# Allegro board RK_TABLET_DEMO1_RK3576_LP4XD200P132SD6_V12_20240530YWQ.brd (continued)
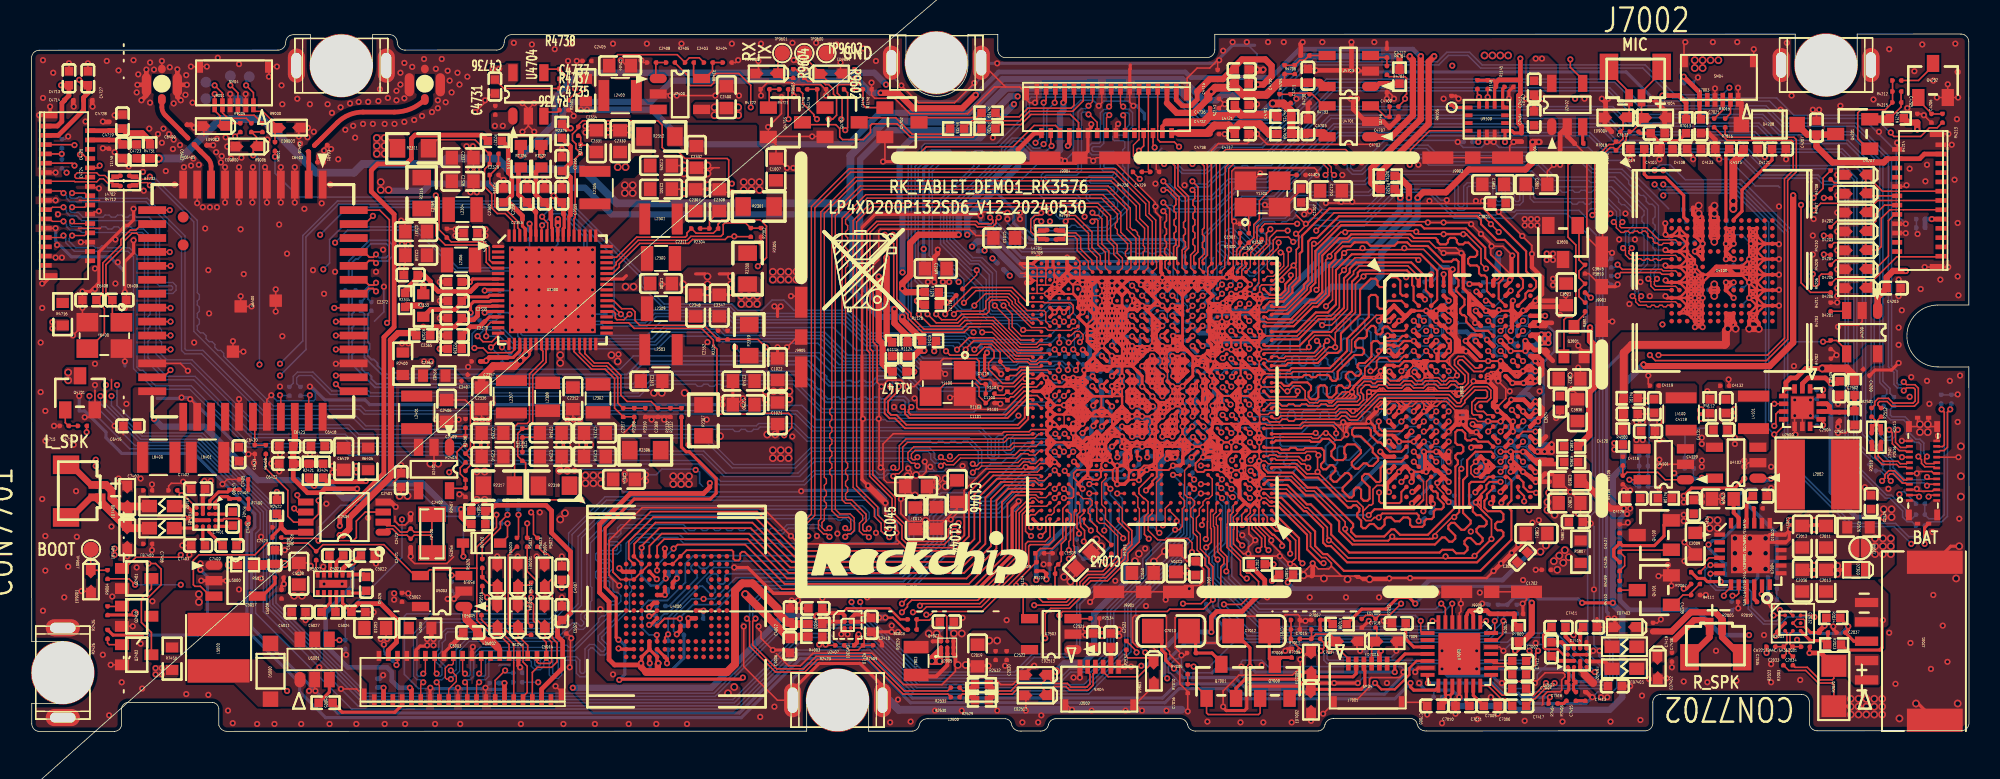
[diagram p0: board, top side]
## Nets (continued)
HOST_WAKE_BT_H: U1000.1E21(--           | --               | --           | I2C5_SCL_M1    | UART10_RTSN_M1 | SPDIF_RX1_M2 | PDM0_SDI3_M2 | SAI2_MCLK_M0  | --            | --              | ETH1_MCLK_M1        | GPIO1_D4_D) U6400.49(BT_WAKE)
HP_CTL_H: R7010.1 U1000.AL2(PWM2_CH0_M1 | UART9_TX_M2  | CAN0_TX_M1      | I2C2_SCL_M3 | --               | HDMI_TX_SCL      | --           | --           | DSM_AUD_RP_M1        | GPIO4_C2_D)
HP_DET_J: ED7003.1 J7001.4 R7012.2
HP_DET_L: C7018.1 R7012.1 U1000.1C5(CAN0_TX_M2  | --               | I2C4_SCL_M1   | UART6_TX_M0   | SPI3_MOSI_M2 | FLEXBUS0_D13_M1 | PDM1_SDI3_M1    | SAI4_SCLK_M0 | --           | GPIO4_A4_D)
HP_GND: C7004.2 C7014.2 J7001.5 R7004.1
HPL_OUT_J: ED7001.1 J7001.2 Q7001.2(SOURCE)
HPOUT_L: C7013.1 U7000.12(LOUT1)
HPOUT_R: C7012.1 U7000.11(ROUT1)
HPOUT_R_C: ED7002.1 J7001.3 Q7000.2(SOURCE)
I2C0_SCL_M1_TP: R1138.2 R5021.1 U1000.AB28(--            | --          | I3C0_SCL_M0    | UART8_TX_M2     | I2C0_SCL_M1      | --           | --             | --           | GPIO0_C1_D)
I2C0_SDA_M1_TP: R1139.2 R5020.1 U1000.1V24(--            | --          | I3C0_SDA_M0    | UART8_RX_M2     | I2C0_SDA_M1      | --           | --             | --           | GPIO0_C2_D)
I2C1_SCL_M0_RK806: R1128.2 U1000.1T22(I2C1_SCL_M0 | --             | SPI2_CLK_M0   | --              | --           | GPIO0_B2_Z) U2300.17((SCL)CLK)
I2C1_SDA_M0_RK806: R1127.2 U1000.1T23(I2C1_SDA_M0 | --             | SPI2_MOSI_M0  | --              | --           | GPIO0_B3_Z) U2300.15((SDA)MOSI)
I2C2_SCL_M0_SENSOR: J4701.28(SCL) R1145.2 U1000.1W24(--            | PWM1_CH4_M0 | NPU_AVS        | UART1_TX_M0     | I2C2_SCL_M0      | --           | --             | --           | GPIO0_B7_D) U9100.13(SCL)
I2C2_SDA_M0_SENSOR: J4701.27(SDA) R1146.2 U1000.AB29(--            | PWM1_CH3_M0 | CPULIT_AVS     | UART1_RX_M0     | I2C2_SDA_M0      | --           | --             | --           | GPIO0_C0_D) U9100.14(SDA)
I2C3_SCL_M0_AUDIO: C7007.1 R1801.2 U1000.1A4(CAN1_TX_M2  | PCIE0_CLKREQN_M2 | I2C3_SCL_M0   | UART2_TX_M1   | --           | FLEXBUS0_D15_M1 | --              | --           | SPDIF_TX0_M0 | GPIO4_B5_D) U7000.28(I2C_CCLK)
I2C3_SDA_M0_AUDIO: C7008.1 R1800.2 U1000.B8(CAN1_RX_M2  | --               | I2C3_SDA_M0   | UART2_RX_M1   | --           | FLEXBUS0_CSN_M4 | --              | --           | SPDIF_RX0_M0 | GPIO4_B4_D) U7000.27(I2C_CDATA)
I2C4_SCL_M3_MIPI_CSI0: J4701.9(CIF_SCL) R1927.2 U1000.1E9(--          | I2C4_SCL_M3    | UART3_RTSN_M1  | UART2_TX_M2    | --              | --              | FLEXBUS1_D9     | DSMC_DATA7  | SAI1_SDO3_M1 | ETH0_PPSCLK_M0      | VO_EBC_SDDO11 | VO_LCDC_D11   | GPIO3_C0_D)
I2C4_SDA_M3_MIPI_CSI0: J4701.8(CIF_SDA) R1926.2 U1000.1D12(--          | I2C4_SDA_M3    | UART3_CTSN_M1  | UART2_RX_M2    | FLEXBUS1_CSN_M0 | --              | FLEXBUS1_D10    | DSMC_DQS0   | SAI1_SDI0_M1 | ETH0_PPSTRIG_M0     | VO_EBC_SDDO12 | VO_LCDC_D12   | GPIO3_B7_D)
I2C5_SCL_M3_MIPI_CSI3: J4702.9(CIF_SCL) R1935.2 U1000.1D9(CAN0_TX_M3  | I2C5_SCL_M3    | SPI2_CSN0_M2   | UART11_TX_M0   | --              | --              | FLEXBUS1_D7     | DSMC_DATA5  | SAI1_SDO1_M1 | --                  | VO_EBC_SDDO7  | VO_LCDC_D7    | GPIO3_C4_D)
I2C5_SDA_M3_MIPI_CSI3: J4702.8(CIF_SDA) R1934.2 U1000.1B10(CAN0_RX_M3  | I2C5_SDA_M3    | SPI2_MISO_M2   | UART11_RX_M0   | --              | --              | FLEXBUS1_D8     | DSMC_DATA6  | SAI1_SDO2_M1 | ETH0_PTP_REFCLK_M0  | VO_EBC_SDDO10 | VO_LCDC_D10   | GPIO3_C1_D)
I2C6_SCL_M3_CC_RTC: R1802.2 U1000.1AE1(PWM2_CH2_M1 | CAN1_TX_M1   | SPI4_MISO_M0    | I2C6_SCL_M3 | SATA0_ACTLED_M1  | PCIE0_CLKREQN_M3 | VP1_SYNC_OUT | SAI4_SDI_M2  | --                   | GPIO4_C6_D) U2003.A3(SCL) U2004.5(SCL) U2404.6(SCL) U2500.6(SCL)
I2C6_SDA_M3_CC_RTC: R1803.2 U1000.AJ1(PWM2_CH3_M1 | CAN1_RX_M1   | SPI4_CLK_M0     | I2C6_SDA_M3 | --               | --               | VP2_SYNC_OUT | SAI4_SCLK_M2 | --                   | GPIO4_C7_D) U2003.A2(SDA) U2004.6(SDA) U2404.5(SDA) U2500.7(SDA)
I2C_MODE_SEL: R2324.2 U2300.18((IIC/S\P\I\)CS)
LCD_BL_PWM1_CH1_M0: R5006.1 U1000.AD29(--            | PWM1_CH1_M0 | --             | UART4_RX_M2     | I2C1_SDA_M1      | --           | --             | REF_CLK2_OUT | GPIO0_B5_D) U5001.4(EN)
LCD_ID: J5000.6(LCM_ID) R5015.1
LCD_PWREN_H: J5000.30(LCD_PWR_EN) R5027.1 U1000.1Y21(--            | --          | SPI0_CSN0_M0   | --              | I2C3_SCL_M1      | --           | --             | SAI0_SCLK_M1 | GPIO0_C6_D) U5000.3(S\H\D\N\) U5003.4(EN)
LCD_RESET_L: R5010.1 U1000.1A19(--          | --              | CAN1_RX_M3       | SPI3_CSN0_M0  | UART3_RTSN_M0  | SPDIF_TX1_M1 | SAI3_SDI_M2  | ETH0_RXD1_M1        | ETH1_PTP_REFCLK_M0  | VI_CIF_CLKI          | GPIO3_A3_D)
LCD_RST: C5015.1 J5000.27(LCM_RESET) R5010.2
LCD_SPI_CLK: ED5005.1 J5000.31(LCM_SPI_CLK) R5016.2
LCD_SPI_CSN: ED5004.1 J5000.38(SPI_CSN) R5017.2
LED_B: J4701.21(LED_B) R4723.2
LED_CTRL_B: R4724.1 U1000.1A11(PWM1_CH3_M3 | --             | SPI4_CSN0_M1   | UART10_TX_M0   | --              | --              | FLEXBUS0_D4     | DSMC_DATA12 | PDM1_CLK0_M2 | ETH0_RXD1_M0        | VO_EBC_SDCE2  | VO_LCDC_D18   | GPIO3_B1_D)
LED_CTRL_G: R4721.1 U1000.A9(PWM1_CH1_M3 | --             | SPI2_CSN1_M2   | UART1_RTSN_M2  | --              | --              | FLEXBUS0_D7     | DSMC_DATA15 | PDM1_SDI3_M2 | ETH0_MDIO_M0        | VO_EBC_GDSP   | VO_LCDC_D22   | GPIO3_A5_D)
LED_CTRL_R: R4717.1 U1000.1D13(PWM1_CH0_M3 | --             | SPI2_CLK_M2    | UART1_CTSN_M2  | FLEXBUS0_CSN_M0 | --              | FLEXBUS1_D11    | DSMC_RDYN   | SAI4_SDI_M1  | ETH_CLK0_25M_OUT_M0 | VO_EBC_SDSHR  | VO_LCDC_D23   | GPIO3_A4_D)
LED_G: J4701.22(LED_G) R4720.2
LED_R: J4701.23(LED_R) R4719.2
LEDA: C5010.1 D5000.2(K) J5000.1(LED+) J5000.2(LED+1) U5001.5(OV)
LEDK: J5000.7(LED-) J5000.8(LED-1) R5004.1 R5005.2
LPDDR4_A0_A: U1000.T1(LP4_A0_A    | LP4X_A0_A    |     LP5_A0_A) U3800.H2(CA0_A)
LPDDR4_A0_B: U1000.L1(LP4_A0_B    | LP4X_A0_B    |     LP5_A0_B) U3800.R2(CA0_B)
LPDDR4_A1_A: U1000.1N1(LP4_A1_A    | LP4X_A1_A    |     LP5_A1_A) U3800.J2(CA1_A)
LPDDR4_A1_B: U1000.1J1(LP4_A1_B    | LP4X_A1_B    |     LP5_A1_B) U3800.P2(CA1_B)
LPDDR4_A2_A: U1000.1R3(LP4_A2_A    | LP4X_A2_A    |     LP5_A2_A) U3800.H9(CA2_A)
LPDDR4_A2_B: U1000.1J3(LP4_A2_B    | LP4X_A2_B    |     LP5_A2_B) U3800.R9(CA2_B)
LPDDR4_A3_A: U1000.1T2(LP4_A3_A    | LP4X_A3_A    |     LP5_A3_A) U3800.H10(CA3_A)
LPDDR4_A3_B: U1000.1G2(LP4_A3_B    | LP4X_A3_B    |     LP5_A3_B) U3800.R10(CA3_B)
LPDDR4_A4_A: U1000.1M5(LP4_A4_A    | LP4X_A4_A    |     LP5_A4_A) U3800.H11(CA4_A)
LPDDR4_A4_B: U1000.1F4(LP4_A4_B    | LP4X_A4_B    |     LP5_A4_B) U3800.R11(CA4_B)
LPDDR4_A5_A: U1000.1P5(LP4_A5_A    | LP4X_A5_A    |     LP5_A5_A) U3800.J11(CA5_A)
LPDDR4_A5_B: U1000.1K5(LP4_A5_B    | LP4X_A5_B    |     LP5_A5_B) U3800.P11(CA5_B)
LPDDR4_CKE0_A: U1000.1N3(LP4_CKE0_A  | LP4X_CKE0_A  |   LP5_CSN0_A) U3800.J4(CKE0_A)
LPDDR4_CKE0_B: U1000.1K2(LP4_CKE0_B  | LP4X_CKE0_B  |   LP5_CSN0_B) U3800.P4(CKE0_B)
LPDDR4_CKE1_A: U1000.1N5(LP4_CKE1_A  | LP4X_CKE1_A  |   LP5_CSN1_A) U3800.J5(CKE1_A)
LPDDR4_CKE1_B: U1000.1M3(LP4_CKE1_B  | LP4X_CKE1_B  |   LP5_CSN1_B) U3800.P5(CKE1_B)
LPDDR4_CLKN_A: U1000.P1(LP4_CLKN_A  | LP4X_CLKN_A  |   LP5_CLKN_A) U3800.J9(CK_C_A)
LPDDR4_CLKN_B: U1000.N1(LP4_CLKN_B  | LP4X_CLKN_B  |   LP5_CLKN_B) U3800.P9(CK_C_B)
LPDDR4_CLKP_A: U1000.1L1(LP4_CLKP_A  | LP4X_CLKP_A  |   LP5_CLKP_A) U3800.J8(CK_T_A)
LPDDR4_CLKP_B: U1000.1K1(LP4_CLKP_B  | LP4X_CLKP_B  |   LP5_CLKP_B) U3800.P8(CK_T_B)
LPDDR4_CSN0_A: U1000.1R4(LP4_CSN0_A  | LP4X_CSN0_A  |           --) U3800.H4(CS0_A)
LPDDR4_CSN0_B: U1000.1J5(LP4_CSN0_B  | LP4X_CSN0_B  |           --) U3800.R4(CS0_B)
LPDDR4_CSN1_A: U1000.1T4(LP4_CSN1_A  | LP4X_CSN1_A  |           --) U3800.H3(CS1_A)
LPDDR4_CSN1_B: U1000.1K4(LP4_CSN1_B  | LP4X_CSN1_B  |           --) U3800.R3(CS1_B)
LPDDR4_DMI0_A: U1000.1V1(LP4_DMI0_A  | LP4X_DMI0_A  |   LP5_DMI0_A) U3800.C3(DMI0_A)
LPDDR4_DMI0_B: U1000.B4(LP4_DMI0_B  | LP4X_DMI0_B  |   LP5_DMI0_B) U3800.Y3(DMI0_B)
LPDDR4_DMI1_A: U1000.AE1(LP4_DMI1_A  | LP4X_DMI1_A  |   LP5_DMI1_A) U3800.C10(DMI1_A)
LPDDR4_DMI1_B: U1000.1B1(LP4_DMI1_B  | LP4X_DMI1_B  |   LP5_DMI1_B) U3800.Y10(DMI1_B)
LPDDR4_DQ0_A: U1000.W1(LP4_DQ0_A   | LP4X_DQ0_A   |    LP5_DQ0_A) U3800.B2(DQ0_A)
LPDDR4_DQ0_B: U1000.1D2(LP4_DQ0_B   | LP4X_DQ0_B   |    LP5_DQ0_B) U3800.AA2(DQ0_B)
LPDDR4_DQ1_A: U1000.1T1(LP4_DQ1_A   | LP4X_DQ1_A   |    LP5_DQ1_A) U3800.C2(DQ1_A)
LPDDR4_DQ1_B: U1000.1F2(LP4_DQ1_B   | LP4X_DQ1_B   |    LP5_DQ1_B) U3800.Y2(DQ1_B)
LPDDR4_DQ2_A: U1000.1P1(LP4_DQ2_A   | LP4X_DQ2_A   |    LP5_DQ2_A) U3800.E2(DQ2_A)
LPDDR4_DQ2_B: U1000.1G1(LP4_DQ2_B   | LP4X_DQ2_B   |    LP5_DQ2_B) U3800.V2(DQ2_B)
LPDDR4_DQ3_A: U1000.U1(LP4_DQ3_A   | LP4X_DQ3_A   |    LP5_DQ3_A) U3800.F2(DQ3_A)
LPDDR4_DQ3_B: U1000.K1(LP4_DQ3_B   | LP4X_DQ3_B   |    LP5_DQ3_B) U3800.U2(DQ3_B)
LPDDR4_DQ4_A: U1000.1V3(LP4_DQ4_A   | LP4X_DQ4_A   |    LP5_DQ4_A) U3800.F4(DQ4_A)
LPDDR4_DQ4_B: U1000.1C3(LP4_DQ4_B   | LP4X_DQ4_B   |    LP5_DQ4_B) U3800.U4(DQ4_B)
LPDDR4_DQ5_A: U1000.1W4(LP4_DQ5_A   | LP4X_DQ5_A   |    LP5_DQ5_A) U3800.E4(DQ5_A)
LPDDR4_DQ5_B: U1000.1B3(LP4_DQ5_B   | LP4X_DQ5_B   |    LP5_DQ5_B) U3800.V4(DQ5_B)
LPDDR4_DQ6_A: U1000.AC1(LP4_DQ6_A   | LP4X_DQ6_A   |    LP5_DQ6_A) U3800.C4(DQ6_A)
LPDDR4_DQ6_B: U1000.A5(LP4_DQ6_B   | LP4X_DQ6_B   |    LP5_DQ6_B) U3800.Y4(DQ6_B)
LPDDR4_DQ7_A: U1000.AB1(LP4_DQ7_A   | LP4X_DQ7_A   |    LP5_DQ7_A) U3800.B4(DQ7_A)
LPDDR4_DQ7_B: U1000.G1(LP4_DQ7_B   | LP4X_DQ7_B   |    LP5_DQ7_B) U3800.AA4(DQ7_B)
LPDDR4_DQ8_A: U1000.AF1(LP4_DQ8_A   | LP4X_DQ8_A   |    LP5_DQ8_A) U3800.B11(DQ8_A)
LPDDR4_DQ8_B: U1000.1A1(LP4_DQ8_B   | LP4X_DQ8_B   |    LP5_DQ8_B) U3800.AA11(DQ8_B)
LPDDR4_DQ9_A: U1000.1AB1(LP4_DQ9_A   | LP4X_DQ9_A   |    LP5_DQ9_A) U3800.C11(DQ9_A)
LPDDR4_DQ9_B: U1000.B1(LP4_DQ9_B   | LP4X_DQ9_B   |    LP5_DQ9_B) U3800.Y11(DQ9_B)
LPDDR4_DQ10_A: U1000.1AD1(LP4_DQ10_A  | LP4X_DQ10_A  |   LP5_DQ10_A) U3800.E11(DQ10_A)
LPDDR4_DQ10_B: U1000.B2(LP4_DQ10_B  | LP4X_DQ10_B  |   LP5_DQ10_B) U3800.V11(DQ10_B)
LPDDR4_DQ11_A: U1000.AH1(LP4_DQ11_A  | LP4X_DQ11_A  |   LP5_DQ11_A) U3800.F11(DQ11_A)
LPDDR4_DQ11_B: U1000.A2(LP4_DQ11_B  | LP4X_DQ11_B  |   LP5_DQ11_B) U3800.U11(DQ11_B)
LPDDR4_DQ12_A: U1000.1Y1(LP4_DQ12_A  | LP4X_DQ12_A  |   LP5_DQ12_A) U3800.F9(DQ12_A)
LPDDR4_DQ12_B: U1000.1E1(LP4_DQ12_B  | LP4X_DQ12_B  |   LP5_DQ12_B) U3800.U9(DQ12_B)
LPDDR4_DQ13_A: U1000.1W2(LP4_DQ13_A  | LP4X_DQ13_A  |   LP5_DQ13_A) U3800.E9(DQ13_A)
LPDDR4_DQ13_B: U1000.1C1(LP4_DQ13_B  | LP4X_DQ13_B  |   LP5_DQ13_B) U3800.V9(DQ13_B)
LPDDR4_DQ14_A: U1000.1AA3(LP4_DQ14_A  | LP4X_DQ14_A  |   LP5_DQ14_A) U3800.C9(DQ14_A)
LPDDR4_DQ14_B: U1000.E1(LP4_DQ14_B  | LP4X_DQ14_B  |   LP5_DQ14_B) U3800.Y9(DQ14_B)
LPDDR4_DQ15_A: U1000.1AA1(LP4_DQ15_A  | LP4X_DQ15_A  |   LP5_DQ15_A) U3800.B9(DQ15_A)
LPDDR4_DQ15_B: U1000.D1(LP4_DQ15_B  | LP4X_DQ15_B  |   LP5_DQ15_B) U3800.AA9(DQ15_B)
LPDDR4_DQS0N_A: U1000.Y1(LP4_DQS0N_A | LP4X_DQS0N_A | LP5_RDQS0N_A) U3800.E3(DQS0_C_A)
LPDDR4_DQS0N_B: U1000.1F1(LP4_DQS0N_B | LP4X_DQS0N_B | LP5_RDQS0N_B) U3800.V3(DQS0_C_B)
LPDDR4_DQS0P_A: U1000.1U1(LP4_DQS0P_A | LP4X_DQS0P_A | LP5_RDQS0P_A) U3800.D3(DQS0_T_A)
LPDDR4_DQS0P_B: U1000.H1(LP4_DQS0P_B | LP4X_DQS0P_B | LP5_RDQS0P_B) U3800.W3(DQS0_T_B)
LPDDR4_DQS1N_A: U1000.1AB3(LP4_DQS1N_A | LP4X_DQS1N_A | LP5_RDQS1N_A) U3800.E10(DQS1_C_A)
LPDDR4_DQS1N_B: U1000.B3(LP4_DQS1N_B | LP4X_DQS1N_B | LP5_RDQS1N_B) U3800.V10(DQS1_C_B)
LPDDR4_DQS1P_A: U1000.1AB4(LP4_DQS1P_A | LP4X_DQS1P_A | LP5_RDQS1P_A) U3800.D10(DQS1_T_A)
LPDDR4_DQS1P_B: U1000.A3(LP4_DQS1P_B | LP4X_DQS1P_B | LP5_RDQS1P_B) U3800.W10(DQS1_T_B)
LPDDR4_RESET: C3800.1 U1000.1U5(LP4_RESET   | LP4X_RESET   |    LP5_RESET) U3800.T11(RESET_N)
MIC2_IN_J: C7002.2 C7014.1 ED7000.1 J7001.1 R7007.1 R7009.1
MIC2N: C7006.2 C7020.2 ED9004.1 J7002.1 J7002.3 R7018.1
MIC2P: C7005.2 C7020.1 ED7004.1 J7002.2 J7002.4 R7017.2
MIC_1P: C7002.1 U7000.24(LIN1)
MIC_2N: C7006.1 U7000.21(RIN2)
MIC_2P: C7005.1 U7000.22(LIN2)
MIPI_DCPHY_VREG: C1503.1 U1000.2N7(MIPI_DCPHY_VREG)
MIPI_DPHY_CSI0_CAM_CLKOUT: R4726.1 U1000.1E7(PWM2_CH7_M3 | --             | SPI3_CSN1_M1   | UART5_RTSN_M0  | FLEXBUS1_CSN_M1 | FLEXBUS1_D12_M0 | FLEXBUS0_D15_M0 | DSMC_RESETN | SAI4_SCLK_M1 | CAM_CLK0_OUT_M0     | VO_EBC_SDOE   | VO_LCDC_CLK   | GPIO3_D7_D)
MIPI_DPHY_CSI0_CLKOUT: C4729.1 J4701.7(CIF_CLK1) R4726.2
MIPI_DPHY_CSI0_PDN_H: J4701.6(F_PDN) U1000.1C7(--          | --             | SPI1_CLK_M2    | UART8_RTSN_M0  | --              | --              | FLEXBUS1_D4     | DSMC_DATA2  | SAI1_SCLK_M1 | --                  | VO_EBC_SDDO4  | VO_LCDC_D4    | GPIO3_C7_D)
MIPI_DPHY_CSI0_RST_L: J4701.5(CIF_RST) U1000.1A7(PWM1_CH2_M3 | --             | UART10_CTSN_M0 | UART1_RX_M2    | --              | --              | FLEXBUS0_D6     | DSMC_DATA14 | PDM1_SDI2_M2 | ETH0_MDC_M0         | VO_EBC_GDOE   | VO_LCDC_D21   | GPIO3_A6_D)
MIPI_DPHY_CSI0_RX_CLKN: L4701.1 R4707.1 U1000.AL22(MIPI_DPHY_CSI0_RX_CLKN | MIPI_CPHY_CSI_RX_TRIO1_B)
MIPI_DPHY_CSI0_RX_CLKNJ: J4701.12(CSIF_CKN) L4701.2 R4707.2
MIPI_DPHY_CSI0_RX_CLKP: L4701.3 R4708.1 U1000.AK22(MIPI_DPHY_CSI0_RX_CLKP | MIPI_CPHY_CSI_RX_TRIO1_C)
MIPI_DPHY_CSI0_RX_CLKPJ: J4701.13(CSIF_CKP) L4701.4 R4708.2
MIPI_DPHY_CSI0_RX_D0N: J4701.15(CSIF_D2N) U1000.AL20(MIPI_DPHY_CSI0_RX_D0N  | MIPI_CPHY_CSI_RX_TRIO0_A)
MIPI_DPHY_CSI0_RX_D0P: J4701.16(CSIF_D2P) U1000.AK20(MIPI_DPHY_CSI0_RX_D0P  | MIPI_CPHY_CSI_RX_TRIO0_B)
MIPI_DPHY_CSI0_RX_D1N: J4701.18(CSIF_D3N) U1000.AL21(MIPI_DPHY_CSI0_RX_D1N  | MIPI_CPHY_CSI_RX_TRIO0_C)
MIPI_DPHY_CSI0_RX_D1P: J4701.19(CSIF_D3P) U1000.AK21(MIPI_DPHY_CSI0_RX_D1P  | MIPI_CPHY_CSI_RX_TRIO1_A)
MIPI_DPHY_CSI3_CAM_CLKOUT: R4727.1 U1000.1B7(--          | I2C7_SDA_M2    | --             | UART3_RX_M1    | FLEXBUS0_CSN_M1 | FLEXBUS1_D13_M0 | FLEXBUS0_D14_M0 | DSMC_INT2   | SAI4_SDO_M1  | CAM_CLK2_OUT_M0     | SPDIF_TX0_M1  | VO_POST_EMPTY | GPIO4_A1_D)
MIPI_DPHY_CSI3_CLKOUT: C4730.1 J4702.7(MIPI_CLK0) R4727.2
MIPI_DPHY_CSI3_PDN_H: J4702.10(B_PDN) U1000.1D10(--          | I2C3_SDA_M2    | SPI3_MISO_M1   | UART5_TX_M0    | --              | --              | FLEXBUS1_D0     | DSMC_CLKP   | SAI1_SDI2_M1 | --                  | VO_EBC_GDCLK  | VO_LCDC_HSYNC | GPIO3_D5_D)
MIPI_DPHY_CSI3_RST_L: J4702.5(MIPI_RST) U1000.B13(--          | --             | UART10_RTSN_M0 | UART1_TX_M2    | --              | --              | FLEXBUS0_D5     | DSMC_DATA13 | PDM1_CLK1_M2 | ETH0_RXCTL_M0       | VO_EBC_VCOM   | VO_LCDC_D20   | GPIO3_A7_D)
MIPI_DPHY_CSI3_RX_CLKN: L4702.1 R4711.1 U1000.1H23(MIPI_DPHY_CSI3_RX_CLKN |                     --)
MIPI_DPHY_CSI3_RX_CLKNJ: J4702.12(CSIB_CKN) L4702.2 R4711.2
MIPI_DPHY_CSI3_RX_CLKP: L4702.3 R4712.1 U1000.1H22(MIPI_DPHY_CSI3_RX_CLKP |                     --)
MIPI_DPHY_CSI3_RX_CLKPJ: J4702.13(CSIB_CKP) L4702.4 R4712.2
MIPI_DPHY_CSI3_RX_D0N: J4702.15(CSIB_D0N) U1000.H29(MIPI_DPHY_CSI3_RX_D0N  |                     --)
MIPI_DPHY_CSI3_RX_D0P: J4702.16(CSIB_D0P) U1000.H28(MIPI_DPHY_CSI3_RX_D0P  |                     --)
MIPI_DPHY_CSI3_RX_D1N: J4702.18(CSIB_D1N) U1000.J29(MIPI_DPHY_CSI3_RX_D1N  |                     --)
MIPI_DPHY_CSI3_RX_D1P: J4702.19(CSIB_D1P) U1000.J28(MIPI_DPHY_CSI3_RX_D1P  |                     --)
MIPI_DPHY_CSI3_RX_D2N: J4702.21(CSIB_D2N) U1000.K29(MIPI_DPHY_CSI3_RX_D2N  |  MIPI_DPHY_CSI4_RX_D0N)
MIPI_DPHY_CSI3_RX_D2P: J4702.22(CSIB_D2P) U1000.K28(MIPI_DPHY_CSI3_RX_D2P  |  MIPI_DPHY_CSI4_RX_D0P)
MIPI_DPHY_CSI3_RX_D3N: J4702.24(CSIB_D3N) U1000.L29(MIPI_DPHY_CSI3_RX_D3N  |  MIPI_DPHY_CSI4_RX_D1N)
MIPI_DPHY_CSI3_RX_D3P: J4702.25(CSIB_D3P) U1000.L28(MIPI_DPHY_CSI3_RX_D3P  |  MIPI_DPHY_CSI4_RX_D1P)
MIPI_DPHY_CSI_PWREN_H: R4701.1 R4704.1 R4736.1 U1000.1D7(--          | --             | SPI1_MOSI_M2   | UART8_TX_M0    | --              | --              | FLEXBUS1_D5     | DSMC_DATA3  | SAI1_LRCK_M1 | --                  | VO_EBC_SDDO5  | VO_LCDC_D5    | GPIO3_C6_D)
MIPI_DPHY_DSI_TX_CLKN: J5000.18(LCM_CLKN) U1000.AK17(MIPI_DPHY_DSI_TX_CLKN | MIPI_CPHY_DSI_TX_TRIO1_B)
MIPI_DPHY_DSI_TX_CLKP: J5000.17(LCM_CLKP) U1000.AL17(MIPI_DPHY_DSI_TX_CLKP | MIPI_CPHY_DSI_TX_TRIO1_C)
MIPI_DPHY_DSI_TX_D0N: J5000.24(LCM_D0N) U1000.AK15(MIPI_DPHY_DSI_TX_D0N  | MIPI_CPHY_DSI_TX_TRIO0_A)
MIPI_DPHY_DSI_TX_D0P: J5000.23(LCM_D0P) U1000.AL15(MIPI_DPHY_DSI_TX_D0P  | MIPI_CPHY_DSI_TX_TRIO0_B)
MIPI_DPHY_DSI_TX_D1N: J5000.21(LCM_D1N) U1000.AK16(MIPI_DPHY_DSI_TX_D1N  | MIPI_CPHY_DSI_TX_TRIO0_C)
MIPI_DPHY_DSI_TX_D1P: J5000.20(LCM_D1P) U1000.AL16(MIPI_DPHY_DSI_TX_D1P  | MIPI_CPHY_DSI_TX_TRIO1_A)
MIPI_DPHY_DSI_TX_D2N: J5000.15(LCM_D2N) U1000.AK18(MIPI_DPHY_DSI_TX_D2N  | MIPI_CPHY_DSI_TX_TRIO2_A)
MIPI_DPHY_DSI_TX_D2P: J5000.14(LCM_D2P) U1000.AL18(MIPI_DPHY_DSI_TX_D2P  | MIPI_CPHY_DSI_TX_TRIO2_B)
MIPI_DPHY_DSI_TX_D3N: J5000.12(LCM_D3N) U1000.AK19(MIPI_DPHY_DSI_TX_D3N  | MIPI_CPHY_DSI_TX_TRIO2_C)
MIPI_DPHY_DSI_TX_D3P: J5000.11(LCM_D3P) U1000.AL19(MIPI_DPHY_DSI_TX_D3P  |                   NO_USE)
MOTOR+: C4207.1 D4208.2(K) J4201.22(NC10) J4201.23(NC11) Q4201.3(DRAIN)
OSC_1V8: C1102.1 R1119.2 R1124.2 U1000.2J10(OSC_AVDD1V8)
OSC_UFS_XIN: C1304.1 R1302.2 U1000.AK5(OSC_UFS_XIN) Y1300.3(X2)
OSC_UFS_XOUT: R1300.1 R1302.1 U1000.AL5(OSC_UFS_XOUT)
OTG_EN_H: R2004.2 U1000.B15(PWM0_CH1_M2 | --              | I2C5_SDA_M2      | --            | UART4_RTSN_M0  | --           | SAI4_LRCK_M3 | --                  | ETH1_TXD1_M0        | --                   | GPIO2_C7_D) U2004.8(OTG)
PCIE0_CLKREQN_M1: U1000.1A23(--           | PCIE0_CLKREQN_M1 | SPI1_MISO_M0 | --             | UART3_CTSN_M2  | --           | --           | SAI3_SDO_M1   | --            | SDMMC1_D2_M0    | ETH1_RXCLK_M1       | GPIO1_B6_D) U6400.37(PCIE_CLKREQ_L)
PCIE0_PERSTN_M1: U1000.1B22(--           | --               | --           | --             | UART3_RX_M2    | --           | PDM0_CLK0_M2 | SAI3_MCLK_M1  | --            | SDMMC1_CLK_M0   | ETH1_TXCLK_M1       | GPIO1_C1_D) U6400.12(PCIE_PERST_L)
PCIE0_REFCLKN: C6417.2 U1000.1N23(PCIE0_REFCLKN |        --)
PCIE0_REFCLKP: C6416.2 U1000.1N22(PCIE0_REFCLKP |        --)
PCIE0_RXN: C6412.2 U1000.R29(PCIE0_RXN     | SATA0_RXN)
PCIE0_RXP: C6411.2 U1000.R28(PCIE0_RXP     | SATA0_RXP)
PCIE0_TXN: C6414.2 U1000.P28(PCIE0_TXN     | SATA0_TXN)
PCIE0_TXP: C6413.2 U1000.P29(PCIE0_TXP     | SATA0_TXP)
PCIE0_WAKEN_M1: U1000.A27(--           | --               | SPI1_CSN0_M0 | --             | UART3_RTSN_M2  | --           | --           | SAI3_SDI_M1   | --            | SDMMC1_D3_M0    | ETH1_TXD2_M1        | GPIO1_B7_D) U6400.24(PCIE_PME_L)
PDM1_CLK0_M1: R7015.1 U1000.1B5(CAN0_RX_M2  | --               | I2C4_SDA_M1   | UART6_RX_M0   | SPI3_MISO_M2 | FLEXBUS0_D14_M1 | PDM1_CLK0_M1    | SAI4_LRCK_M0 | --           | GPIO4_A6_D)
PDM1_SDI1_M1: R7016.1 U1000.B6(--          | --               | MIPI_TE_M0    | --            | SPI4_MISO_M2 | FLEXBUS1_D15_M1 | PDM1_SDI1_M1    | SAI1_SDI1_M0 | SAI1_SDO3_M0 | GPIO4_B2_D)
PMIC1_FB5: R2302.2 R2305.1 U2300.47(FB5)
PMIC1_SW1: L2301.1 U2300.50(SW1_1) U2300.51(SW1_2)
PMIC1_SW2: L2303.1 U2300.35(SW2_1) U2300.36(SW2_2)
PMIC1_SW3: L2305.1 U2300.55(SW3)
PMIC1_SW4: L2307.1 U2300.23(SW4)
PMIC1_SW5: L2300.2 U2300.45(SW5)
PMIC1_SW7: L2309.1 U2300.42(SW7)
PMIC1_SW8: L2306.2 U2300.6(SW8)
PMIC1_SW9: L2304.2 U2300.68(SW9)
PMIC1_SW10: L2308.2 U2300.26(SW10)
PMIC_EXT_EN_OUT: R2405.1 R2406.1 U2300.39((M\/S)EXT_EN)
PMIC_FB6: C2317.2 R2308.2 R2310.1 U2300.31(FB6)
PMIC_FB9: C2329.2 R2313.2 R2315.1 U2300.66(FB9)
PMIC_INT_L: U1000.1T21(--          | --             | PMIC_INT      | --              | --           | GPIO0_A6_U) U2300.19(INT)
PMIC_PWR_CTRL1: U1000.Y28(--          | TSADC_CTRL_M1  | PWR_CTRL1     | --              | --           | GPIO0_A3_D) U2300.62(PWRCTRL1)
PMIC_PWR_CTRL2: Q3801.1(GATE) U1000.1T24(--          | --             | PWR_CTRL2     | --              | --           | GPIO0_A4_D) U2300.61(PWRCTRL2)
PMIC_SW6: L2302.2 U2300.29(SW6)
PMIC_VDC: C2368.1 R2330.2 R2332.1 U2300.32(VDC)
PMUIO0_VCC1V8: C1103.1 R1105.1 R1121.1 R1125.1 R1126.1 R1127.1 R1128.1 R2411.1 U1000.2K11(PMUIO0_VCC1V8)
PMUIO1_VCC: C1106.1 R1141.1 U1000.1U20(PMUIO1_VCC)
PROX_INT: J4701.29(PROX_INT) U1000.1D18(PWM2_CH6_M2 | I3C1_SDA_PU_M0  | --               | --            | UART9_RTSN_M0  | SPDIF_RX0_M2 | SAI3_MCLK_M2 | ETH0_MCLK_M1        | ETH_CLK1_25M_OUT_M0 | CAM_CLK1_OUT_M1      | GPIO2_D6_D)
PWR: ED9003.1 J9001.1 R9006.2 TP9002.1
PWRON_L: C2369.1 Q2400.3(DRAIN) R9006.1 U2300.4(PWRON)
RESET_L: C1119.1 C2366.1 R1105.2 R1107.1 R9005.1 U1000.W28(NPOR) U2300.40(RESETB)
RST_KEY: ED9002.1 J9001.6 R9005.2 TP9006.1
RTC_INT: D2400.2(K) Q2401.1(GATE) R2427.2 R2428.2 U2404.3(I\N\T\)
RTC_INT_L: D2400.1(A) R2427.1 U1000.V29(--          | --             | --            | AUPLL_CLK_IN_M0 | REF_CLK0_OUT | GPIO0_A0_D)
SAI1_LRCK_M0: U1000.1B6(--          | PCIE1_CLKREQN_M2 | I2C2_SDA_M2   | UART5_CTSN_M1 | SPI4_CSN1_M2 | FLEXBUS1_D12_M1 | --              | --           | SAI1_LRCK_M0 | GPIO4_A5_D) U7000.7(LRCK)
SAI1_MCLK_M0: U1000.1D6(PWM2_CH5_M0 | --               | --            | --            | --           | --              | AUPLL_CLK_IN_M2 | SAI4_MCLK_M0 | SAI1_MCLK_M0 | GPIO4_A2_D) U7000.1(MCLK)
SAI1_SCLK_M0: U1000.1C6(PWM2_CH4_M1 | --               | I2C2_SCL_M2   | UART5_RTSN_M1 | SPI3_CSN0_M2 | FLEXBUS1_CSN_M4 | --              | --           | SAI1_SCLK_M0 | GPIO4_A3_D) U7000.5(SCLK)
SAI1_SDI0_M0: U1000.1A6(PWM2_CH7_M0 | --               | --            | SPI3_CSN1_M2  | SPI4_CSN0_M2 | --              | PDM1_SDI0_M1    | SAI4_SDO_M0  | SAI1_SDI0_M0 | GPIO4_B3_D) U7000.8(ASDOUT)
SAI1_SDO0_M0: U1000.A7(PWM2_CH6_M0 | --               | --            | --            | SPI3_CLK_M2  | --              | --              | SAI4_SDI_M0  | SAI1_SDO0_M0 | GPIO4_A7_D) U7000.6(DSDIN)
SAI2_LRCK_M0: U1000.1A24(PWM1_CH3_M1  | --               | --           | I3C0_SCL_M1    | --             | --           | --           | SAI2_LRCK_M0  | --            | --              | ETH1_MDC_M1         | GPIO1_D2_D) U6400.21(BT_PCM_SYNC)
SAI2_SCLK_M0: U1000.1D22(--           | --               | --           | I3C0_SDA_PU_M1 | UART10_RX_M1   | --           | --           | SAI2_SCLK_M0  | --            | --              | ETH1_RXCTL_M1       | GPIO1_D1_D) U6400.22(BT_PCM_CLK)
SAI2_SDI_M0: U1000.C28(PWM1_CH4_M1  | --               | --           | I3C0_SDA_M1    | --             | --           | --           | SAI2_SDI_M0   | --            | --              | ETH1_MDIO_M1        | GPIO1_D3_D) U6400.19(BT_PCM_OUT)
SAI2_SDO_M0: U1000.C29(--           | --               | --           | --             | UART10_TX_M1   | --           | --           | SAI2_SDO_M0   | --            | --              | ETH1_RXD1_M1        | GPIO1_D0_D) U6400.20(BT_PCM_IN)
SARADC_AVDD1V8: C1116.1 R1102.1 R1104.1 R1147.1 R9600.1 U1000.2A10(SARADC_AVDD1V8)
SARADC_VIN0_BOOT: C1108.1 R1102.2 R1103.1 R9004.1 U1000.A25(SARADC_IN0_BOOT)
SARADC_VIN1_KEY/RECOVERY: C1109.1 ED9000.1 R1104.2 R9000.1 R9001.1 U1000.1A22(SARADC_IN1)
SARADC_VIN2_HW_ID: C1110.1 R9600.2 R9601.1 U1000.1B19(SARADC_IN2)
SARADC_VIN3_HP_HOOK: C1111.1 C7017.1 R7009.2 R7011.1 U1000.1C19(SARADC_IN3)
SD_CMD: D4202.1 J4201.14(TF_SD0_CMD) R4207.2
SD_D0: D4205.1 J4201.11(TF_SD0_DATA0) R4209.2
SD_D1: D4204.1 J4201.12(TF_SD0_DATA1) R4210.2
SD_D2: D4207.1 J4201.15(TF_SD0_DATA2) R4208.2
SD_D3: D4206.1 J4201.10(TF_SD0_DATA3) R4206.2
SD_DET: D4201.1 J4201.1(TF_DET) R4211.2
SDMMC0_CLK: D4203.1 J4201.13(TF_SD0_CLK) R1353.2
SDMMC0_CMD: R1361.2 R4207.1 U1000.1A21(PWM2_CH4_M0    | --         | SPI0_CSN0_M1 | I2C5_SDA_M0 | --            | UART5_RX_M2 | --           | SAI3_SDO_M3  | --            | FSPI1_CSN0_M0 | SDMMC0_CMD | GPIO2_A4_D)
SDMMC0_D0: R1360.2 R4209.1 U1000.B24(PWM2_CH2_M0    | CAN0_RX_M0 | SPI0_MOSI_M1 | I2C8_SCL_M0 | UART7_RX_M2   | UART0_RX_M1 | --           | --           | DSM_AUD_LP_M0 | FSPI1_D0_M0   | SDMMC0_D0  | GPIO2_A0_D)
SDMMC0_D1: R4210.1 U1000.B25(PWM2_CH3_M0    | CAN0_TX_M0 | SPI0_MISO_M1 | I2C8_SDA_M0 | UART7_TX_M2   | UART0_TX_M1 | --           | SAI3_MCLK_M3 | DSM_AUD_LN_M0 | FSPI1_D1_M0   | SDMMC0_D1  | GPIO2_A1_D)
SDMMC0_D2: R4208.1 U1000.A23(I3C1_SCL_M1    | CAN1_RX_M0 | SPI0_CSN1_M1 | --          | UART5_RTSN_M2 | JTAG_TCK_M0 | --           | SAI3_LRCK_M3 | DSM_AUD_RP_M0 | FSPI1_D2_M0   | SDMMC0_D2  | GPIO2_A2_D)
SDMMC0_D3: R4206.1 U1000.B23(I3C1_SDA_M1    | CAN1_TX_M0 | --           | --          | UART5_CTSN_M2 | JTAG_TMS_M0 | --           | SAI3_SDI_M3  | DSM_AUD_RN_M0 | FSPI1_D3_M0   | SDMMC0_D3  | GPIO2_A3_D)
SDMMC0_DET_L: C1120.1 R1121.2 R4211.1 U1000.1U21(--          | --             | SPI2_CSN1_M0  | --              | SDMMC0_DETN  | GPIO0_A7_U)
SDMMC0_PWREN_H: R4202.1 U1000.1Y24(--            | PWM1_CH2_M0 | --             | EDP_TX_HPDIN_M1 | HDMI_TX_HPDIN_M1 | --           | SDMMC1_DETN_M2 | SDMMC0_PWREN | GPIO0_B6_D) U4200.4(EN)
SPI4_CLK_M3: R5016.1 U1000.1B16(--          | --              | PCIE1_CLKREQN_M0 | SPI4_CLK_M3   | UART1_RTSN_M1  | PDM0_CLK1_M3 | SAI0_SDO2_M0 | ETH0_TXCLK_M1       | SDMMC1_CLK_M1       | VI_CIF_D10           | GPIO2_B3_D)
SPI4_CSN0_M3: R5017.1 U1000.1A17(--          | --              | PCIE0_CLKREQN_M0 | SPI4_CSN0_M3  | UART1_CTSN_M1  | PDM0_SDI1_M3 | SAI0_SDI2_M0 | ETH0_TXD3_M1        | SDMMC1_CMD_M1       | VI_CIF_D11           | GPIO2_B2_D)
SPI4_MISO_M3: R5018.1 U1000.1C18(--          | SATA1_ACTLED_M0 | --               | SPI4_MISO_M3  | UART7_RTSN_M0  | PDM0_CLK0_M3 | SAI0_MCLK_M0 | ETH0_RXCLK_M1       | SDMMC1_DETN_M1      | VI_CIF_D8            | GPIO2_B5_D)
SPI4_MOSI_M3: R5019.1 U1000.A19(--          | SATA0_ACTLED_M0 | --               | SPI4_MOSI_M3  | UART7_CTSN_M0  | PDM0_SDI0_M3 | SAI0_SDI3_M0 | ETH0_TXD2_M1        | SDMMC1_PWREN_M1     | VI_CIF_D9            | GPIO2_B4_D)
SPK_CTL_H: R7402.1 U1000.B7(--          | UART2_CTSN_M1    | UART6_CTSN_M0 | UART5_RX_M1   | SPI4_MOSI_M2 | FLEXBUS1_D14_M1 | PDM1_SDI2_M1    | SAI1_SDI2_M0 | SAI1_SDO2_M0 | GPIO4_B1_D) U7400.A4(SHDN) U7402.A4(SHDN)
TP_INT: ED5001.1 J5000.35(TP_INT) R5022.2
TP_INT_L: R5022.1 U1000.1AA22(--            | --          | I3C0_SDA_PU_M0 | UART10_RX_M2    | DP_HPDIN_M1      | --           | --             | SAI0_SDO0_M1 | GPIO0_C5_D)
TP_RST: ED5000.1 J5000.36(TP_RST) R5023.2
TP_RST_L: R5023.1 U1000.1W23(--            | --          | SPI0_MOSI_M0   | --              | --               | PDM0_SDI0_M0 | --             | SAI0_SDI0_M1 | GPIO0_D0_D)
TP_SCL/SPI_DI: ED5002.1 J5000.34(TP_SCL/SPI_DI) R5018.2 R5021.2
TP_SDA/SPI_DO: ED5003.1 J5000.33(TP_SDA/SPI_DO) R5019.2 R5020.2
TSADC_CTRL_M0: R1107.2 U1000.1R24(--          | TSADC_CTRL_ORG | TSADC_CTRL_M0 | --              | --           | GPIO0_A1_Z)
TYPEC_CC1: C2507.1 J2501.23 U2500.10(CC1_10) U2500.11(CC1_11)
TYPEC_CC2: C2506.1 J2501.2 U2500.1(CC2_1) U2500.14(CC2_14)
TYPEC_DM: J2501.8 L2501.1 R2516.2
TYPEC_DP: J2501.7 L2501.3 R2510.2
TYPEC_DPTX_AUX_PUPDCTL1: R2500.1 U1000.AL3(PWM2_CH6_M1 | UART6_TX_M3  | SPI4_CSN0_M0    | I2C3_SCL_M3 | DP_HPDIN_M0      | --               | --           | SAI4_LRCK_M2 | ISP_PRELIGHT_TRIG_M1 | GPIO4_C4_D)
TYPEC_DPTX_AUX_PUPDCTL2: R2502.1 U1000.AK1(PWM2_CH5_M1 | UART6_RX_M3  | SPI4_MOSI_M0    | I2C3_SDA_M3 | SATA1_ACTLED_M1  | --               | VP0_SYNC_OUT | SAI4_SDO_M2  | ISP_FLASH_TRIGOUT_M1 | GPIO4_C5_D)
TYPEC_SBU1: C2500.2 J2501.15 R2500.2 R2503.1
TYPEC_SBU2: C2501.2 J2501.14 R2502.2 R2504.1
TYPEC_TX1N: C2508.2 J2501.18
TYPEC_TX1P: C2509.2 J2501.17
TYPEC_TX2N: C2510.2 J2501.5
TYPEC_TX2P: C2511.2 J2501.4
UART0_RX: ED9600.1 R9603.2 TP9601.1
UART0_RX_M0_DEBUG: R9603.1 R9604.1 U1000.AA28(--            | --          | --             | JTAG_TMS_M1     | UART0_RX_M0      | --           | --             | --           | GPIO0_D5_U)
UART0_TX: ED9601.1 R9602.2 TP9600.1
UART0_TX_M0_DEBUG: R9602.1 U1000.1U24(--            | --          | --             | JTAG_TCK_M1     | UART0_TX_M0      | --           | --             | --           | GPIO0_D4_U)
UART4_CTSN_M1: U1000.1C23(--           | --               | SPI2_CSN0_M1 | I2C6_SDA_M1    | UART4_CTSN_M1  | --           | --           | --            | FSPI1_CSN0_M1 | SDMMC1_DETN_M0  | ETH1_PPSTRIG_M1     | GPIO1_C3_U) U6400.42(BT_UART_RTS_N)
UART4_RTSN_M1: U1000.B29(PWM1_CH2_M1  | --               | SPI2_CSN1_M1 | I2C6_SCL_M1    | UART4_RTSN_M1  | --           | --           | FSPI1_CSN1_M1 | FSPI1_RSTN_M1 | SDMMC1_PWREN_M0 | ETH1_PPSCLK_M1      | GPIO1_C2_U) U6400.43(BT_UART_CTS_N)
UART4_RX_M1: U1000.B28(--           | PCIE1_BUTTONRSTN | SPI2_MISO_M1 | UART2_CTSN_M0  | UART4_RX_M1    | --           | --           | --            | FSPI1_D1_M1   | --              | ETH1_TXD1_M1        | GPIO1_C5_D) U6400.40(BT_UART_TXD)
UART4_TX_M1: U1000.1B23(--           | PCIE0_BUTTONRSTN | SPI2_MOSI_M1 | UART2_RTSN_M0  | UART4_TX_M1    | --           | --           | --            | FSPI1_D0_M1   | --              | ETH1_TXD0_M1        | GPIO1_C4_D) U6400.41(BT_UART_RXD)
UFS_AVDD0V85: C1302.1 C1310.1 R1320.1 U1000.2N2(UFS_AVDD0V85)
UFS_AVDD1V8: C1305.1 C1311.1 R1323.1 U1000.2P2(UFS_AVDD1V8)
UFS_REFCLK: C4109.1 R1306.2 U4100.H1(REF_CK)
UFS_RSTN: C4110.1 U1000.1AD2(UFS_RSTN   | GPIO4_D0_D) U4100.H2(RST_N)
UFS_RX_D0N: U1000.AL7(UFS_RX_D0N) U4100.K1(TXDN0)
UFS_RX_D0P: U1000.AK8(UFS_RX_D0P) U4100.K2(TXDP0)
UFS_RX_D1N: U1000.AL6(UFS_RX_D1N) U4100.M1(TXDN1)
UFS_RX_D1P: U1000.AK7(UFS_RX_D1P) U4100.M2(TXDP1)
UFS_SOC_REFCLK: R1306.1 U1000.AK4(UFS_REFCLK | GPIO4_D1_D)
UFS_TX_D0N: U1000.1AC6(UFS_TX_D0N) U4100.F2(RXDN0)
UFS_TX_D0P: U1000.1AD6(UFS_TX_D0P) U4100.F1(RXDP0)
UFS_TX_D1N: U1000.1AD5(UFS_TX_D1N) U4100.D2(RXDN1)
UFS_TX_D1P: U1000.1AD4(UFS_TX_D1P) U4100.D1(RXDP1)
UFS_TX_REXT: R1301.1 U1000.2R2(UFS_TX_REXT)
USB2_HOST1_DM: R2531.1 U1000.2T5(USB2_OTG1_DM)
USB2_HOST1_DP: R2530.1 U1000.2T4(USB2_OTG1_DP)
USB2_HOST1_REXT: R1402.1 U1000.2U8(USB2_OTG1_REXT)
USB2_HOST_PWREN_H: U1000.1AA23(UART1_RTSN_M0 | PWM2_CH0_M0 | GPU_AVS        | --              | I2C4_SDA_M0      | PDM0_SDI3_M0 | SAI0_SDO1_M1   | SAI0_SDI3_M1 | GPIO0_D3_D) U2503.4(EN)
USB2_OTG0_DM: R2513.1 U1000.AL9(USB2_OTG0_DM)
USB2_OTG0_DP: R2512.1 U1000.AK9(USB2_OTG0_DP)
USB2_OTG0_REXT: R1401.1 U1000.2R3(USB2_OTG0_REXT)
USB2_OTG0_VBUSDET: C1404.1 R2514.1 R2517.1 U1000.2P3(USB2_OTG0_VBUSDET)
USB2_OTG_AVDD1V8: C1406.1 R1409.1 U1000.2P4(USB2_OTG_AVDD1V8)
USB2_OTG_AVDD3V3: C1408.1 R1412.1 U1000.2P7(USB2_OTG_AVDD3V3)
USB2_OTG_DVDD0V75: C1405.1 R1407.1 U1000.2P5(USB2_OTG_DVDD0V75)
USB3_OTG0_DP_TX_REXT: R1400.1 U1000.2T7(USB3_OTG0_REXT   | DP_TX_REXT)
USB3_OTG0_SSRX1N/DP_TX_D0N: J2501.10 U1000.AL10(USB3_OTG0_SSRX1N |  DP_TX_D0N)
USB3_OTG0_SSRX1P/DP_TX_D0P: J2501.11 U1000.AK10(USB3_OTG0_SSRX1P |  DP_TX_D0P)
USB3_OTG0_SSRX2N/DP_TX_D2N: J2501.20 U1000.AL12(USB3_OTG0_SSRX2N |  DP_TX_D2N)
USB3_OTG0_SSRX2P/DP_TX_D2P: J2501.21 U1000.AK12(USB3_OTG0_SSRX2P |  DP_TX_D2P)
USB3_OTG0_SSTX1N/DP_TX_D1N: C2508.1 U1000.AK11(USB3_OTG0_SSTX1N |  DP_TX_D1N)
USB3_OTG0_SSTX1P/DP_TX_D1P: C2509.1 U1000.AL11(USB3_OTG0_SSTX1P |  DP_TX_D1P)
USB3_OTG0_SSTX2N/DP_TX_D3N: C2510.1 U1000.AK13(USB3_OTG0_SSTX2N |  DP_TX_D3N)
USB3_OTG0_SSTX2P/DP_TX_D3P: C2511.1 U1000.AL13(USB3_OTG0_SSTX2P |  DP_TX_D3P)
USB20_HOST_DM: ED2513.1 J2502.2 L2500.1 R2532.2
USB20_HOST_DP: ED2512.1 J2502.3 L2500.3 R2529.2
USBCC_INT_L: U1000.AC28(--            | --          | SPI0_MISO_M0   | --              | --               | PDM0_SDI1_M0 | SAI0_SDO3_M1   | SAI0_SDI1_M1 | GPIO0_D1_D) U2500.5(INT#)